# Altium PCB Control.PcbDoc (continued)
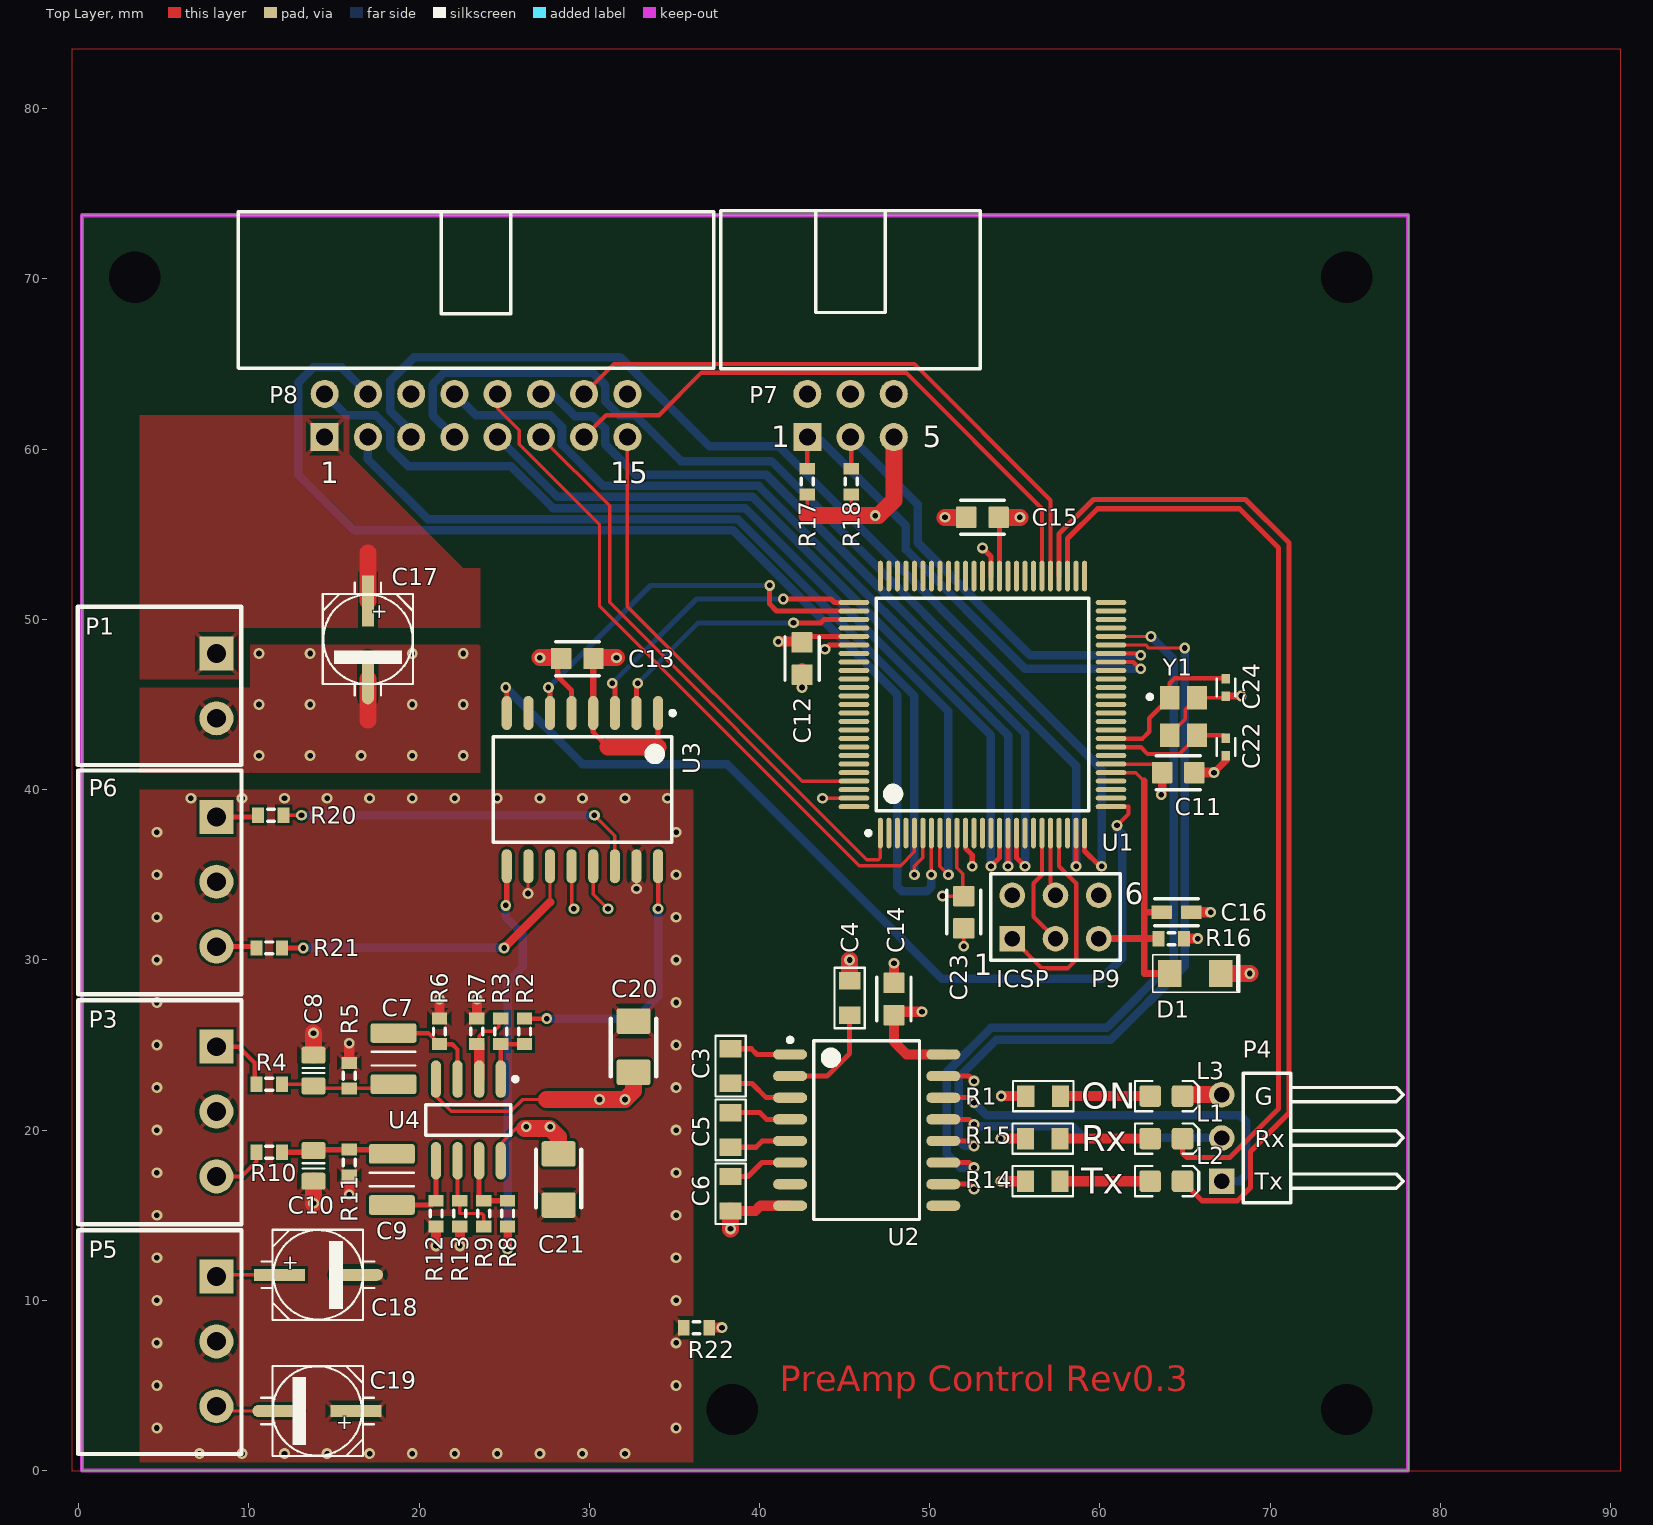
[diagram p0: Top Layer view]
## Components (designator, comment, footprint, x,y, rotation, side; value= is the part's Value field where it differs from the comment)
C3 "C0805-GENERIC" 0805C-GENERIC 38.3,23 r90 top
C4 "C0805-GENERIC" 0805C-GENERIC 45.296,27 r90 top
C5 "C0805-GENERIC" 0805C-GENERIC 38.3,19.25 r90 top
C6 "C0805-GENERIC" 0805C-GENERIC 38.3,15.5 r90 top
C7 "Cap" CAPC3225X220N 18.5,24.2 r270 top
C8 "Cap" CAPC2012X135N 13.8,23.5 r270 top
C9 "Cap" CAPC3225X220N 18.4,17.1 r270 top
C10 "Cap" CAPC2012X135N 13.8,17.9 r270 top
C11 "CAP" CAPC2012 64.6,41 r0 top
C12 "CAP" CAPC2012 42.5,47.7 r270 top
C13 "CAP" CAPC2012 29.3,47.7 r180 top
C14 "CAP" CAPC2012 47.9,27.7 r90 top
C15 "CAP" CAPC2012 53.1,56 r180 top
C16 "C0603-GENERIC" CAPC1608 64.5,32.8 r180 top
C17 "C+47U-6V3" PANACAP-C 17,48.8 r270 top
C18 "C+47U-6V3" PANACAP-C 14.1,11.5 r0 top
C19 "C+47U-6V3" PANACAP-C 14,3.5 r180 top
C20 "100nF 63V" CAPC3216B 32.6,24.9 r90 top
C21 "100nF 63V" CAPC3216B 28.2,17.1 r270 top
C22 "10nF" CAPC1005L 67.4,42.5 r90 top
C23 "CAP" CAPC2012 52,32.8 r270 top
C24 "10nF" CAPC1005L 67.4,46 r90 top
D1 "Diode 1N4001" "1206 DIODE" 65.6,29.2 r0 top
L1 "Green" LED-0805-K 63.9,19.5 r0 top
L2 "Green" LED-0805-K 63.9,17 r0 top
L3 "Green" LED-0805-K 63.9,22 r0 top
P1 "Power" PH_TERM_2 0.1,50.6 r270 top
P3 "Audio in" PH_TERM_3 0.1,27.5 r270 top locked
P4 "RS-232" HDR1X3H 67.15,17 r90 top
P5 "+15/-15V" PH_TERM_3 0.1,14 r270 top locked
P6 "Audio Out" PH_TERM_3 0.1,41 r270 top locked
P7 "Relays" IDC2.54-H6C 45.35,63.25 r0 top
P8 "Front Panel" IDC2.54-H16C 23.35,63.25 r0 top locked
P9 "ICSP" HDR2X3 54.85,31.25 r0 top
R1 "1K" 0805R-1K 55.9,22 r0 top
R2 "Res3" J1-0603 26.2,25.8 r270 top
R3 "Res3" J1-0603 24.8,25.8 r270 top
R4 "Res3" J1-0603 11.2,22.7 r0 top
R5 "Res3" J1-0603 15.9,23.2 r270 top
R6 "Res3" J1-0603 21.2,25.8 r270 top
R7 "Res3" J1-0603 23.4,25.8 r270 top
R8 "Res3" J1-0603 25.2,15.1 r90 top
R9 "Res3" J1-0603 23.8,15.1 r90 top
R10 "Res3" J1-0603 11.2,18.7 r0 top
R11 "Res3" J1-0603 15.9,18.1 r90 top
R12 "Res3" J1-0603 21,15.1 r90 top
R13 "Res3" J1-0603 22.4,15.1 r90 top
R14 "1K" 0805R-1K 57.4,17 r180 top
R15 "1K" 0805R-1K 57.4,19.5 r180 top
R16 "Res3" J1-0603 64.2,31.25 r0 top
R17 "Res3" J1-0603 42.8,58.1 r270 top
R18 "Res3" J1-0603 45.4,58.1 r270 top
R20 "Res3" J1-0603 11.3,38.5 r0 top
R21 "Res3" J1-0603 11.2,30.7 r0 top
R22 "Res3" J1-0603 36.3,8.4 r0 top
U1 "ATmega2560-16AU" 100A_N 53.1,45 r90 top locked
U2 "MAX232ACWE" TI-DW16_L 46.3,20 r0 top
U3 "PGA2311" TI-DW16_L 29.6,40 r270 top
U4 "LME49720MA" M08A_N 22.9,20.6 r270 top
Y1 "CFPX-5" CFPX-5 64.9,44.3 r270 top

## Footprints (in the part's own frame and the unit in brackets; to place one, negate y for a bottom-side part, rotate by r counter-clockwise, add the part's x,y. Pads: shape width x height; smd on the part's side, far side on the other; paste and mask are expansions set on the pad)
100A_N [mm] "Thin QFP, 100-Leads, Body 14x14mm, Pitch 0.5mm, IPC Medium Density"
  oval 1.8x0.3 smd: 1(-7.55,6) 2(-7.55,5.5) 3(-7.55,5) 4(-7.55,4.5) 5(-7.55,4) 6(-7.55,3.5) 7(-7.55,3) 8(-7.55,2.5) 9(-7.55,2) 10(-7.55,1.5) 11(-7.55,1) 12(-7.55,0.5) 13(-7.55,0) 14(-7.55,-0.5) 15(-7.55,-1) 16(-7.55,-1.5) 17(-7.55,-2) 18(-7.55,-2.5) 19(-7.55,-3) 20(-7.55,-3.5) 21(-7.55,-4) 22(-7.55,-4.5) 23(-7.55,-5) 24(-7.55,-5.5) 25(-7.55,-6) 51(7.55,-6) 52(7.55,-5.5) 53(7.55,-5) 54(7.55,-4.5) 55(7.55,-4) 56(7.55,-3.5) 57(7.55,-3) 58(7.55,-2.5) 59(7.55,-2) 60(7.55,-1.5) 61(7.55,-1) 62(7.55,-0.5) 63(7.55,0) 64(7.55,0.5) 65(7.55,1) 66(7.55,1.5) 67(7.55,2) 68(7.55,2.5) 69(7.55,3) 70(7.55,3.5) 71(7.55,4) 72(7.55,4.5) 73(7.55,5) 74(7.55,5.5) 75(7.55,6)
  oval 0.3x1.8 smd: 26(-6,-7.55) 27(-5.5,-7.55) 28(-5,-7.55) 29(-4.5,-7.55) 30(-4,-7.55) 31(-3.5,-7.55) 32(-3,-7.55) 33(-2.5,-7.55) 34(-2,-7.55) 35(-1.5,-7.55) 36(-1,-7.55) 37(-0.5,-7.55) 38(0,-7.55) 39(0.5,-7.55) 40(1,-7.55) 41(1.5,-7.55) 42(2,-7.55) 43(2.5,-7.55) 44(3,-7.55) 45(3.5,-7.55) 46(4,-7.55) 47(4.5,-7.55) 48(5,-7.55) 49(5.5,-7.55) 50(6,-7.55) 76(6,7.55) 77(5.5,7.55) 78(5,7.55) 79(4.5,7.55) 80(4,7.55) 81(3.5,7.55) 82(3,7.55) 83(2.5,7.55) 84(2,7.55) 85(1.5,7.55) 86(1,7.55) 87(0.5,7.55) 88(0,7.55) 89(-0.5,7.55) 90(-1,7.55) 91(-1.5,7.55) 92(-2,7.55) 93(-2.5,7.55) 94(-3,7.55) 95(-3.5,7.55) 96(-4,7.55) 97(-4.5,7.55) 98(-5,7.55) 99(-5.5,7.55) 100(-6,7.55)
  silkscreen extent -7.67,-6.25 6.25,6.82, body extent -8.01,-8.01 8.01,8.01, height 1.1
0805C-GENERIC [mil] "CAPACITOR 0805"
  rect 40x50 smd: 1(-10,0) 2(70,0)
  silkscreen extent -40,-35 100,35, body extent -11,-25 70,25, height 26
0805R-1K [mil] "RESISTOR 0805"
  rect 40x50 smd: 1(-10,0) 2(70,0)
  silkscreen extent -40,-35 100,35, body extent -11,-25 70,25, height 27
"1206 DIODE" [mm]
  rect 1.4x1.6 smd: 1(-1.5,0) 2(1.5,0)
  silkscreen extent -2.5,-1.1 2.6,1.1
CAPC1005L [mil] "Chip Capacitor, Non Polarised 1.0mm x 0.5mm x ?mm (0402)"
  rrect10% 22x20 smd: 1(-20,0) 2(20,0)
  silkscreen extent -20,-21 20,21, body extent -21,-11 19,9, height 20
CAPC1608 [mm] "Chip Capacitor, Non Polarised 1.6mm x 0.8mm x ?mm (0603)"
  rrect10% 1.2x0.8 smd: 1(-0.875,0) 2(0.875,0)
  silkscreen extent -1.28,-0.8 1.28,0.8, body extent -0.8,-0.43 0.8,0.39, height 0.86
CAPC2012 [mm] "Chip Capacitor, Non Polarised 2.0mm x 1.2mm x ?mm (0805)"
  rrect10% 1.2x1.25 smd: 1(-0.95,0) 2(0.95,0)
  silkscreen extent -1.28,-1 1.28,1, body extent -1,-0.63 1,0.63, height 1.27
CAPC2012X135N [mm] "Chip Capacitor, Body 2.0x1.2mm, EIA 0805, IPC Medium Density"
  round 0.254 on Mech15: 0(0,0)
  rrect25% 1x1.4 smd: 1(-0.9,0) 2(0.9,0)
  Top Layer pour cut-out: -0.675,0.7 -0.475,0.9 0.475,0.9 0.675,0.7 0.675,-0.7 0.475,-0.9 -0.475,-0.9 -0.675,-0.7
  silkscreen extent -0.15,-0.65 0.15,0.65, body extent -1.1,-0.72 1.1,0.73, height 1.34
CAPC3216B [mm] "3216 Capacitor Wide"
  rrect20% 1.5x2 smd: 1(-1.5,0) 2(1.5,0)
  silkscreen extent -1.75,-1.33 1.65,1.33, body extent -1.6,-0.8 1.6,0.8, height 1.78
CAPC3225X220N [mm] "Chip Capacitor, Body 3.2x2.5mm, EIA 1210, IPC Medium Density"
  round 0.508 on Mech15: 0(0,0)
  rrect25% 1.15x2.7 smd: 1(-1.5,0) 2(1.5,0)
  silkscreen extent -0.4,-1.3 0.4,1.3, body extent -1.8,-1.4 1.8,1.4, height 2.19
CFPX-5 [mm] "Surface Mount Quartz Crystal; Body 3.4 x 2.7 mm (LxW max)"
  rect 1.4x1.15 smd: 1(-1.1,-0.8) 2(1.1,-0.8) 3(1.1,0.8) 4(-1.1,0.8)
  silkscreen extent -1.27,-2.09 -1.02,-1.84
HDR1X3H [mm] "Connector; Header; 3 Position; Right Angle"
  rect 1.5x1.5 hole 0.9: 1(0,0)
  round 1.5 hole 0.9: 2(2.54,0) 3(5.08,0)
  silkscreen extent -1.27,-10.67 6.35,-1.27, body extent -1.27,-10.8 6.36,0.32, height 3.09
HDR2X3 [mm] "Connector; Header; 3x2 Position"
  rect 1.5x1.5 hole 0.9: 1(0,0)
  round 1.5 hole 0.9: 2(0,2.54) 3(2.54,0) 4(2.54,2.54) 5(5.08,0) 6(5.08,2.54)
  silkscreen extent -1.27,-1.27 6.35,3.81, body extent -1.27,-1.27 6.35,3.81, height 9.5
IDC2.54-H6C [mm] "Connector; IDC, Low Profile Male Header, Thru-Hole; 6 Position; Right Angle; Pitch 2.54 mm; Body 15.24 x 8.9 x 9.2 mm (LxWxH)"
  rect 1.65x1.65 hole 1: 1(-2.54,-2.54)
  round 1.65 hole 1: 2(-2.54,0) 3(0,-2.54) 4(0,0) 5(2.54,-2.54) 6(2.54,0)
  silkscreen extent -7.62,1.48 7.62,10.75, body extent -7.56,-2.85 7.71,10.7, height 9.43
IDC2.54-H16C [mm] "Connector; IDC, Low Profile Male Header, Thru-Hole; 16 Position; Right Angle; Pitch 2.54 mm; Body 27.94 x 8.9 x 9.2 mm (LxWxH)"
  rect 1.65x1.65 hole 1: 1(-8.89,-2.54)
  round 1.65 hole 1: 2(-8.89,0) 3(-6.35,-2.54) 4(-6.35,0) 5(-3.81,-2.54) 6(-3.81,0) 7(-1.27,-2.54) 8(-1.27,0) 9(1.27,-2.54) 10(1.27,0) 11(3.81,-2.54) 12(3.81,0) 13(6.35,-2.54) 14(6.35,0) 15(8.89,-2.54) 16(8.89,0)
  silkscreen extent -13.97,1.5 13.97,10.7, body extent -13.97,-2.92 14.01,10.63, height 9.43
J1-0603 [mm] "Chip Resistor, Body 1.6x0.8mm, IPC High Density"
  rect 0.7x0.9 smd: 1(-0.75,0) 2(0.75,0)
  silkscreen extent -0.2,-0.35 0.2,0.35, body extent -0.85,-0.48 0.85,0.48, height 0.9
LED-0805-K [mil]
  round 20 on Mech15: 0(0,0)
  rrect25% 50x50 smd: A(-37.5,0) K(37.5,0)
  Top Layer pour cut-out: -15,30 15,30 15,-30 -15,-30
  silkscreen extent -72,-35 77,35, body extent -39,-25 39,25, height 31
M08A_N [mm] "SOIC, 8-Leads, Body 4.9x3.9mm, Pitch 1.27mm, IPC Medium Density"
  oval 2.2x0.6 smd: 1(-2.4,1.905) 2(-2.4,0.635) 3(-2.4,-0.635) 4(-2.4,-1.905) 5(2.4,-1.905) 6(2.4,-0.635) 7(2.4,0.635) 8(2.4,1.905)
  silkscreen extent -2.52,-2.5 0.9,2.88, body extent -2,-2.5 2,2.5, height 1.75
PANACAP-C [mm]
  rect 3x0.7 smd: +(-2.286,0)
  oval 3x0.7 smd: -(2.286,0)
  silkscreen extent -3.35,-2.65 3.28,2.65, body extent -2.95,-2.65 2.95,2.65, height 5.41
PH_TERM_2 [mm] "Phoenix Terminal 2 way pluggable"
  rect 2x2 hole 1.1: 1(2.6,8)
  round 2 hole 1.1: 2(6.41,8)
  silkscreen extent -0.15,-0.15 9.15,9.45, body extent 0,0 9.01,9.3, height 7.25
PH_TERM_3 [mm] "Phoenix Terminal 3 way pluggable"
  rect 2x2 hole 1.1: 1(2.6,8)
  round 2 hole 1.1: 2(6.41,8) 3(10.22,8)
  silkscreen extent -0.13,-0.12 13.03,9.48, body extent 0.03,0.03 12.84,9.32, height 7.25
TI-DW16_L [mm] "SOIC, 16-Leads, Body 10.5x7.6mm, Pitch 1.27mm, IPC High Density"
  oval 2x0.6 smd: 1(-4.5,4.445) 2(-4.5,3.175) 3(-4.5,1.905) 4(-4.5,0.635) 5(-4.5,-0.635) 6(-4.5,-1.905) 7(-4.5,-3.175) 8(-4.5,-4.445) 9(4.5,-4.445) 10(4.5,-3.175) 11(4.5,-1.905) 12(4.5,-0.635) 13(4.5,0.635) 14(4.5,1.905) 15(4.5,3.175) 16(4.5,4.445)
  silkscreen extent -4.62,-5.25 3.1,5.42, body extent -5.08,-5.04 5.08,5.04, height 2

## Part data
C3 C5 C6: "GENERIC CAPACITOR NON POLARISED0603"
C4: "GENERIC CAPACITOR NON POLARISED0805"
C7 C8 C9 C10 C11 C12 C13 C14 C15 C23: "Capacitor"
C16: library part C0805-GENERIC, "GENERIC CAPACITOR NON POLARISED 22pf"
C17 C18 C19: "GENERIC CAPACITOR POLARISED"
C20 C21: library part CAP
C22 C24: library part Cap, "Capacitor"
D1: "1 Amp General Purpose Rectifier"
L1 L2 L3: library part LED_SMD_Green_0805_6mcd, "LED, 0805 SMD, Green"
P1: library part "Header 2", "Header, 2-Pin"
P3 P5 P6: library part "Header 3", "Header, 3-Pin"
P4: library part "Header 3H", "Header, 3-Pin, Right Angle"
P7: library part "Header 3X2H", "Header, 3-Pin, Dual row, Right Angle"
P8: library part "Header 16", "Header, 16-Pin"
P9: library part "Header 3X2", "Header, 3-Pin, Dual row"
R1 R14 R15: library part 0805R-1K, "RESISTOR 0805 1/4 WATT THIN FILM"
R2 R3 R4 R5 R6 R7 R8 R9 R10 R11 R12 R13 R16 R17 R18 R20 R21 R22: "Resistor"
U1: "8-bit AVR Microcontroller, 4.5-5.5V, 256KB Flash, 4KB EEPROM, 8KB SRAM, 86 GPIO pins, 100-pin TQFP, Industrial Grade (-40°C to 85°C), Pb-Free"
U2: "+5V Powered, Multi-Channel RS-232 Driver/Receiver"
U4: "Dual High Performance, High Fidelity Audio Operational Amplifier, 8-pin Narrow SOIC"
Y1: "Surface Mount Quartz Crystal"

## Free pads (board coordinates)
  round 1.524 hole 3: 1(38.4,3.6) 2(74.5,3.6) 3(74.5,70.1) 4(3.3,70.1)

## Via types
v1: diameter 0.635, hole 0.33, Top Layer to Bottom Layer, tented both sides, 143 vias

## Nets (pads, with @x,y where several pads share a name; then routed paths per layer and width w, separated by ;. In a path a pad name is that pad's centre, name@x,y a point inside that pad or via, vN(x,y) a via of type N, cw(c..) or ccw(c..) an arc to the next point about the centre after c; other vN are vias at no path point)
+15V: C18.+ C21.1 P5.1 U3.12 U4.8 | length 12.3
  Top Layer w0.2: P5.1 8.2,11.5 C18.+ ; U4.8 24.805,19.205 25.7,20.1 v1@26.2,20.1 ; U3.12 28.965,33.135 v1(29.1,33)
  Top Layer w1: v1@26.2,20.1 27.7,20.1 28.2,19.6 C21.1
  other v1: 26.3,20.2 27.7,20.2
-15V: C19.- C20.1 P5.3 U3.13 U4.4 | length 21.2
  Top Layer w0.2: P5.3 8.38,3.5 C19.- ; U4.4 20.995,22.005 21.9,21.1 25.4,21.1 26.1,21.8 27.5,21.8 ; U3.13 30.235,33.865 v1(31.1,33)
  Top Layer w1: 27.5,21.8 v1(30.6,21.8) v1(32.1,21.8) 32.6,22.3 32.6,22.8 C20.1
AGND: C8.1 C10.2 C18.- C19.+ C20.2 C21.2 P3.2 P5.2 P6.2 R5.1 R6.1 R7.1 R11.1 R12.1 R13.1 R22.1 U3.10 U3.15 | length 12.4
  Top Layer w0.2: v1(26.4,33.9) 26.4,35.475 U3.10 ; v1(32.775,34.175) U3.15
  Top Layer w0.6: v1(15.9,16.2) R11.1 ; R5.1 v1(15.9,25.1) ; v1(21,13.2) R12.1 ; R6.1 v1(21.2,27.7) ; v1(22.4,13.2) R13.1 ; R7.1 v1(23.4,27.7)
  Top Layer w1: v1(13.8,15.7) C10.2 ; C8.1 v1(13.8,25.7)
  other v1: 7.1,1 9.6,1 12.1,1 14.6,1 17.1,1 19.6,1 22.1,1 24.6,1 27.1,1 29.6,1 32.1,1 4.6,2.5 35.1,2.5 4.6,5 35.1,5 4.6,7.5 35.1,7.5 4.6,10 35.1,10 4.6,12.5 35.1,12.5 4.6,15 35.1,15 4.6,17.5 35.1,17.5 4.6,20 35.1,20 4.6,22.5 35.1,22.5 4.6,25 35.1,25 4.6,27.5 35.1,27.5 4.6,30 35.1,30 4.6,32.5 35.1,32.5 4.6,35 35.1,35 4.6,37.5 35.1,37.5 6.6,39.5 9.6,39.5 12.1,39.5 14.6,39.5 17.1,39.5 19.6,39.5 22.1,39.5 24.6,39.5 27.1,39.5 29.6,39.5 32.1,39.5 34.6,39.5
AUDIO_IN_L: P3.1 R4.1 | length 3.9
  Top Layer w0.254: P3.1 9.4,24.9 10.35,23.95 R4.1@10.35,22.7
AUDIO_IN_R: P3.3 R10.1 | length 3.3
  Top Layer w0.254: P3.3 9.58,17.28 10.45,18.15 R10.1
CH_A: P8.3 U1.6 | length 52.3
  Top Layer w0.2: v1(49.1,35) 49.1,35.5 49.6,36 U1.6
  Bottom Layer w0.5: P8.3 17,59.4 20.51,55.89 38.71,55.89 49.1,45.5 v1(49.1,35)
CH_B: P8.4 U1.7 | length 67.7
  Top Layer w0.2: v1(50.1,35) U1.7
  Bottom Layer w0.5: P8.4 15.45,64.8 13.8,64.8 12.9,63.9 12.9,58.5 16.162,55.238 38.439,55.238 48.1,45.577 48.1,34.3 48.37,34.03 49.83,34.03 50.1,34.3 v1(50.1,35)
CS_PGA: U1.78 U3.2 | length 16
  Top Layer w0.3: U3.2 32.775,46.175 v1(32.85,46.25) ; v1(42,49.8) 43.6,49.8 43.8,50 U1.78
  Bottom Layer w0.3: v1(32.85,46.25) 36.4,49.8 v1(42,49.8)
D4: P8.8 U1.16 | length 51.1
  Top Layer w0.3: v1(54.6,35.5) 54.6,36 U1.16
  Bottom Layer w0.5: P8.8 23.33,62 27.7,62 28.4,61.3 28.4,60.274 30.827,57.848 39.952,57.848 54.6,43.2 v1(54.6,35.5)
D5: P8.9 U1.15 | length 46.1
  Top Layer w0.3: v1(53.6,35.5) 54.1,36 U1.15
  Bottom Layer w0.5: P8.9 28.135,57.195 39.605,57.195 53.6,43.2 v1(53.6,35.5)
D6: P8.10 U1.5 | length 41.2
  Top Layer w0.2: P8.10 24.62,62.38 25.9,61.1 25.9,60.3 30.6,55.6 30.6,50.8 45.858,35.542 48.295,35.542 49.1,36.346 U1.5
D7: P8.11 U1.1 | length 35
  Top Layer w0.2: P8.11 31.2,56.67 31.2,51 46.306,35.894 46.994,35.894 47.1,36 U1.1
FP_BTNS: P8.15 U1.97 | length 27.5
  Top Layer w0.2: P8.15 32.24,50.76 42.5,40.5 U1.97
GND: C6.1 C11.2 C12.2 C13.2 C14.2 C15.2 C16.1 C17.- C22.1 C23.2 C24.1 L3.K P1.2 P4.3 P7.2 P7.4 P8.6 P8.16 P9.6 R22.2 U1.11 U1.32 U1.62 U1.81 U1.99 U2.8 U2.10 U2.15 U3.5 Y1.2 Y1.4 | length 39.1
  Top Layer w0.2: v1(43.7,39.5) U1.99 ; v1(52,30.8) C23.2 ; Y1.2 64.1,43.232 65.02,44.152 65.02,44.72 Y1.4 C24.1@67.25,45.4
  Top Layer w0.3: C13.2@28.15,47.75 28.15,46.65 28.965,45.835 U3.5 ; v1(43.85,48.25) 44.1,48.5 U1.81 ; U2.10@50.85,16.825 52.304,16.825 v1(52.6,16.529) ; U2.15@50.85,23.175 52.304,23.175 v1(52.6,22.879) ; U1.11 52.1,36.56 52.5,36.16 v1(52.5,35.5) ; v1(53.1,54.2) 53.6,53.7 U1.62
  Top Layer w0.4: v1(66.7,41) 67.4,41.7 C22.1 ; C24.1@67.6,45.5 v1(68.3,45.5)
  Top Layer w0.6: R22.2 v1(37.8,8.4) ; C6.1 39.746,15.246 40.055,15.555 U2.8@41.75,15.555 ; v1(42.5,46) C12.2@42.5,47.15 ; C14.2 v1(47.9,29.8) ; C16.1@65.2,32.8 v1(66.5,32.8) ; C11.2 v1(66.7,41)
  Top Layer w1: 17,44.1 C17.- ; v1(27.1,47.75) C13.2@28.15,47.75 ; v1(38.3,14.2) C6.1 ; v1(50.9,56) C15.2@51.9,56 ; L3.K@65.023,22.08 P4.3
  other v1: 10.6,42 13.6,42 16.6,42 19.6,42 22.6,42 10.6,45 13.6,45 19.6,45 22.6,45 10.6,48 13.6,48 19.6,48 22.6,48
IR_RX: P8.2 U1.8 | length 57.2
  Top Layer w0.2: U1.8 50.6,35.5 v1(51.1,35)
  Bottom Layer w0.5: P8.2 15.71,62 17.446,62 18.3,61.146 18.3,60.074 19.374,59 25.407,59 27.865,56.543 39.157,56.543 51.1,44.6 v1(51.1,35)
LCD_EN: P8.7 U1.24 | length 59.7
  Top Layer w0.3: v1(58.6,35.5) U1.24@58.6,37.45
  Bottom Layer w0.5: P8.7 20.8,61.99 20.8,63.8 21.5,64.5 30.2,64.5 30.948,63.752 30.948,62.806 31.754,62 32.686,62 35.386,59.3 40.7,59.3 58.6,41.4 v1(58.6,35.5)
LCD_RS: P8.5 U1.25 | length 64.3
  Top Layer w0.3: U1.25 59.1,36.4 60,35.5 v1(60.1,35.5)
  Bottom Layer w0.5: P8.5 19.54,61.02 18.313,62.248 18.313,64.013 19.7,65.4 31.826,65.4 37.041,60.184 41.117,60.184 60.1,41.201 v1(60.1,35.5)
LED_LCD: P8.12 U1.17 | length 47.2
  Top Layer w0.3: U1.17 55.1,36 v1(55.6,35.5)
  Bottom Layer w0.5: P8.12 27.85,63.25 29.163,61.937 30.208,61.937 30.927,61.218 30.927,60.287 32.714,58.5 40.4,58.5 55.6,43.3 v1(55.6,35.5)
LED_PWR: P8.13 U1.56 | length 35.7
  Top Layer w0.254: P8.13 30.99,62 34.1,62 36.6,64.5 48.6,64.5 56.6,56.5 U1.56
LED_STBY: P8.14 U1.55 | length 35.9
  Top Layer w0.254: P8.14 31.45,65 49.1,65 57.1,57 U1.55
MISO: P9.1 U1.22 | length 12.5
  Top Layer w0.254: P9.1 56.6,29.5 58.1,29.5 58.6,30 58.6,34.5 57.6,35.5 U1.22
MOSI: P9.4 U1.21 | length 3.8
  Top Layer w0.254: U1.21 57.1,34.08 P9.4
MUTE: U1.26 U3.8 | length 55.6
  Top Layer w0.254: v1(25.1,46) 25.155,45.945 U3.8 ; U1.26 61.677,39 61.677,38.577 v1(61,37.9)
  Bottom Layer w0.5: v1(25.1,46) 29.6,41.5 38.1,41.5 50.7,28.9 60.1,28.9 61.3,30.1 61.3,37.4 61,37.7 v1(61,37.9)
NetC3_1: C3.1 U2.3 | length 3.8
  Top Layer w0.3: C3.1 39.554,22.746 40.395,21.905 U2.3@41.75,21.905
NetC3_2: C3.2 U2.1 | length 3.6
  Top Layer w0.3: C3.2 39.522,24.778 39.855,24.445 U2.1@41.75,24.445
NetC4_1: C4.1 U2.2 | length 6.6
  Top Layer w0.3: U2.2@41.75,23.175 43.975,23.175 45.296,24.496 C4.1@45.296,27
NetC5_1: C5.1 U2.5 | length 3.6
  Top Layer w0.3: C5.1 39.796,18.996 40.165,19.365 U2.5@41.75,19.365
NetC5_2: C5.2 U2.4 | length 3.6
  Top Layer w0.3: C5.2 40.022,21.028 40.415,20.635 U2.4@41.75,20.635
NetC6_2: C6.2 U2.6 | length 3.8
  Top Layer w0.3: C6.2 39.328,17.278 40.145,18.095 U2.6@41.75,18.095
NetC7_1: C7.1 R6.2 U4.3 | length 5.9
  Top Layer w0.254: C7.1 20.55,25.7 R6.2 21.95,25.05 22.265,24.735 U4.3
NetC7_2: C7.2 C8.2 R4.2 R5.2 | length 6.8
  Top Layer w0.2: R4.2 13.7,22.7 C8.2 13.95,22.45 R5.2 18.25,22.45 C7.2
NetC9_1: C9.1 C10.1 R10.2 R11.2 | length 6.6
  Top Layer w0.3: R10.2 13.7,18.7 C10.1 13.85,18.85 R11.2 18.15,18.85 C9.1
NetC9_2: C9.2 R12.2 U4.5 | length 5.1
  Top Layer w0.3: C9.2 20.75,15.6 R12.2 21,18.195 U4.5
NetC22_2: C22.2 U1.33 Y1.3 | length 7.3
  Top Layer w0.254: U1.33 62.4,42.5 62.8,42.1 64.67,42.1 65.7,43.13 Y1.3 67.25,43.2 C22.2@67.3,43.15
NetC24_2: C24.2 U1.34 Y1.1 | length 9.4
  Top Layer w0.254: U1.34@60.875,43 U1.34 62.5,43 62.9,43.4 62.9,44.2 Y1.1 64.1,46.25 64.4,46.55 C24.2@67.4,46.55
NetL1_A: L1.A R15.1 | length 5.3
  Top Layer w0.6: R15.1 L1.A
NetL2_A: L2.A R14.1 | length 5.3
  Top Layer w0.6: R14.1 L2.A
NetL3_A: L3.A R1.2 | length 5.3
  Top Layer w0.6: R1.2 L3.A
NetP4_1: P4.1 U2.14 | length 23
  Top Layer w0.3: U2.14@50.85,21.905 52.304,21.905 v1(52.6,21.609)
  Bottom Layer w0.5: v1(52.6,21.609) 53.337,20.872 68.228,20.872 68.6,20.5 68.6,17.4 68.2,17 P4.1
NetP4_2: P4.2 U2.13 | length 16.8
  Top Layer w0.3: U2.13@50.85,20.635 52.304,20.635 v1(52.6,20.339)
  Bottom Layer w0.5: v1(52.6,20.339) 52.72,20.22 58.38,20.22 59.06,19.54 P4.2
NetP6_1: P6.1 R20.1 | length 2.5
  Top Layer w0.3: P6.1 10.45,38.4 R20.1
NetP6_3: P6.3 R21.1 | length 2.4
  Top Layer w0.3: P6.3 10.37,30.78 R21.1
NetR2_2: R2.2 R3.2 U4.1 | length 3.4
  Top Layer w0.254: U4.1 24.805,25.045 26.195,25.045 R2.2
NetR3_1: R3.1 R7.2 U4.2 | length 4.4
  Top Layer w0.2: R7.2@23.535,25.015 23.535,25.535 23.8,25.8 24.4,25.8 24.7,26.1 24.7,26.45 R3.1
  Top Layer w0.6: U4.2 R7.2@23.535,25.015
NetR8_2: R8.2 R9.2 U4.7 | length 3.9
  Top Layer w0.3: U4.7 23.535,16.115 R9.2 R8.2
NetR9_1: R9.1 R13.2 U4.6 | length 5.2
  Top Layer w0.2: R13.2 22.4,15.1 23.7,15.1 23.8,15 R9.1
  Top Layer w0.254: U4.6 22.265,15.985 R13.2
NetR20_2: R20.2 U3.14 | length 21.7
  Top Layer w0.2: R20.2 v1(13.1,38.5) ; v1(30.3,38.5) 31.505,37.295 U3.14
  Bottom Layer w0.5: v1(13.1,38.5) v1(30.3,38.5)
NetR21_2: R21.2 U3.11 | length 19
  Top Layer w0.2: 27.695,33.395 U3.11
  Top Layer w0.3: R21.2 v1(13.2,30.7)
  Top Layer w0.5: v1(25,30.7) 27.695,33.395
  Bottom Layer w0.5: v1(13.2,30.7) v1(25,30.7)
PRE_IN_L: R2.1 U3.16 | length 16
  Top Layer w0.254: R2.1 v1(27.5,26.55) ; v1(34.045,33) U3.16
  Bottom Layer w0.5: v1(27.5,26.55) 32.75,26.55 34.045,27.845 v1(34.045,33)
PRE_IN_R: R8.1 U3.9 | length 24.7
  Top Layer w0.3: v1(25.1,33.2) 25.155,33.255 U3.9
  Top Layer w0.5: v1(25.2,13) R8.1
  Bottom Layer w0.5: v1(25.1,33.2) 25.1,32.5 26.1,31.5 26.1,29.6 25.2,28.7 v1(25.2,13)
RESET: C16.2 D1.1 P9.5 R16.1 U1.30 | length 19.4
  Top Layer w0.2: U1.30 62.1,41 62.6,40.5
  Top Layer w0.4: P9.5 62.6,31.25 ; 62.6,32.8 C16.2@63.5,32.8 ; 62.6,40.5 62.6,31.25 ; R16.1 62.6,31.25 ; D1.1 62.6,29.2 62.6,31.25
RX: U1.45 U2.12 | length 45.7
  Top Layer w0.2: U1.45 62.694,48.5 62.874,48.32 v1(64.98,48.32)
  Top Layer w0.3: U2.12 52.304,19.365 v1(52.6,19.069)
  Bottom Layer w0.5: v1(52.6,19.069) 52.031,19.069 51.7,19.4 51.7,23.1 53.9,25.3 60.623,25.3 64.98,29.657 v1(64.98,48.32)
RXD: U1.2
RXL: L1.K U1.53 | length 57
  Top Layer w0.3: U1.53 58.1,54.75 59.85,56.5 68.2,56.5 70.5,54.2 70.5,21.264 67.626,18.39 65.11,18.39 64.853,18.647 L1.K
SCK: P9.3 U1.20 | length 6.9
  Top Layer w0.254: U1.20 56.6,35 56.1,34.5 56.1,32.54 P9.3
SCL_PGA: U1.77 U3.6 | length 23.2
  Top Layer w0.3: v1(27.6,46) 27.695,45.905 U3.6 ; v1(40.6,52) 40.6,50.9 41,50.5 U1.77
  Bottom Layer w0.3: v1(27.6,46) 33.6,52 v1(40.6,52)
SCL_RELAY: P7.1 R17.1 U1.43 | length 29.8
  Top Layer w0.254: R17.1 42.8,60.7 P7.1 ; U1.43 61.956,47.5 62.356,47.1 v1(62.4,47.1)
  Bottom Layer w0.5: P7.1 43.39,60.71 48.6,55.5 48.6,54.1 55.6,47.1 v1(62.4,47.1)
SDA_RELAY: P7.3 R18.1 U1.44 | length 27.4
  Top Layer w0.254: P7.3 45.4,60.66 R18.1 ; U1.44 62.3,48 v1(62.4,47.9)
  Bottom Layer w0.5: P7.3 49.3,56.76 49.3,54.5 55.9,47.9 v1(62.4,47.9)
SDI_PGA: U1.76 U3.3 | length 18.1
  Top Layer w0.3: v1(31.35,46.25) 31.505,46.095 U3.3 ; v1(41.4,51.2) 44.2,51.2 44.4,51 U1.76
  Bottom Layer w0.3: v1(31.35,46.25) 36.3,51.2 v1(41.4,51.2)
TX: U1.46 U2.11 | length 46.2
  Top Layer w0.2: U1.46@61.041,49 v1(63,49)
  Top Layer w0.3: U2.11@50.85,18.095 52.304,18.095 v1(52.6,17.799)
  Bottom Layer w0.5: v1(52.6,17.799) 51.801,17.799 51,18.6 51,23.4 53.6,26 60.4,26 64.328,29.928 64.328,47.672 v1(63,49)
TXD: U1.3
TXL: L2.K U1.54 | length 61.5
  Top Layer w0.3: U1.54 57.6,55.028 59.622,57.05 68.55,57.05 71.1,54.5 71.1,21 68.85,18.75 68.85,16.634 68.066,15.85 66.003,15.85 L2.K
VCC: C4.2 C11.1 C12.1 C13.1 C14.1 C15.1 C17.+ C23.1 D1.2 P1.1 P7.5 P7.6 P8.1 P9.2 R1.1 R14.2 R15.2 R16.2 R17.2 R18.2 U1.10 U1.31 U1.61 U1.80 U2.16 U3.1 U3.4 | length 59.1
  Top Layer w0.2: 42.8,56.1 R17.2 ; 45.4,56.1 R18.2 ; v1@50.7,33.8 v1(50.75,33.75) C23.1@51.935,33.75 ; U1.10 51.6,35.4 51.935,35.065 C23.1@51.935,33.75 ; C23.1 C23.1@51.935,33.75 ; U1.31 63.35,41.5 C11.1@63.85,41 ; v1(63.6,39.7) v1@63.65,39.75
  Top Layer w0.3: U3.4 30.235,43.378 31.107,42.507 ; C13.1@30.235,47.685 C13.1@30.3,47.75 ; 34.045,42.5 U3.1 ; C12.1 42.85,49 U1.80 ; U1.61 C15.1@54.1,55.95
  Top Layer w0.4: U3.4 C13.1@30.235,47.685
  Top Layer w0.5: v1@63.65,39.75 C11.1
  Top Layer w0.6: v1(41.1,48.7) C12.1@41.9,48.7 ; C14.1@47.9,26.45 47.9,25.2 48.655,24.445 U2.16@50.85,24.445 ; C14.1@47.9,26.95 v1(49.55,26.95) ; v1(54.176,17) R14.2 ; v1(54.176,19.5) R15.2 ; v1(54.2,22) R1.1 ; R16.2 v1(65.75,31.25)
  Top Layer w1: C17.+ 17,53.9 ; C13.1@30.3,47.75 v1(31.6,47.75) ; 31.1,42.5 34.045,42.5 ; 42.8,56.1 45.4,56.1 47,56.1 47.89,56.99 P7.5 ; C4.2 v1(45.296,29.996) ; C15.1@54.1,55.95 54.15,56 v1(55.3,56) ; D1.2 v1(68.8,29.2)
  other v1: 46.8,56.1
pads on no net: C7.0 C8.0 C9.0 C10.0 L1.0 L2.0 L3.0 U1.4 U1.9 U1.12 U1.13 U1.14 U1.18 U1.19 U1.23 U1.27 U1.28 U1.29 U1.35 U1.36 U1.37 U1.38 U1.39 U1.40 U1.41 U1.42 U1.47 U1.48 U1.49 U1.50 U1.51 U1.52 U1.57 U1.58 U1.59 U1.60 U1.63 U1.64 U1.65 U1.66 U1.67 U1.68 U1.69 U1.70 U1.71 U1.72 U1.73 U1.74 U1.75 U1.79 U1.82 U1.83 U1.84 U1.85 U1.86 U1.87 U1.88 U1.89 U1.90 U1.91 U1.92 U1.93 U1.94 U1.95 U1.96 U1.98 U1.100 U2.7 U2.9 U3.7

## Polygon pours and split planes (outlines as drawn)
VCC on Bottom Layer "GBL - VCC" (solid, remove dead copper, shelved, pour order 24): 9.1,24.75 5.1,20.75 5.1,15.5 5.85,14.75 58.6,14.75 68.6,24.75 68.6,81.75 67.1,83.25 45.6,83.25 44.1,81.75 44.1,78.25 45.35,77 47.6,77 48.6,76 48.31,61.25 48.31,60.25 26.04,60.25 17.85,68.44 17.85,72 16.35,73.5 12.6,73.5 10.35,71.25 10.35,61.75 19.6,52.5 24.1,52.5 38.1,38.5 38.1,26 36.6,24.5
GND on Bottom Layer "GBL - GND" (solid, remove dead copper, shelved, pour order 22): -0.4,0 90.6,0 90.6,83.5 -0.4,83.5 -0.4,0
AGND on Bottom Layer "AGND" (solid, remove dead copper, pour order 23): 3.6,40 3.6,0.5 36.1,0.5 36.1,40
GND on Top Layer "Top-No Net" (solid, pour order 25): 23.6,45 23.6,41 10.1,41 10.1,48.5 23.6,48.5
GND on Top Layer "GTL - GND" (solid, remove dead copper, shelved, pour order 21): -0.4,0 90.6,0 90.6,83.5 -0.4,83.5 -0.4,0
AGND on Top Layer "Top-No Net" (solid, pour order 28): 20.1,9.8 20.1,5.2 6.1,5.2 6.1,9.8
AGND on Top Layer "Top-No Net" (solid, remove dead copper, pour order 29): 36.1,40 36.1,0.5 3.6,0.5 3.6,40
VCC on Top Layer "Top-No Net" (solid, pour order 32): 23.6,49.5 9.6,49.5 9.6,46.5 3.6,46.5 3.6,62 15.9,62 15.9,59.7 22.6,53 23.6,53
GND on Top Layer "Top-No Net" (solid, pour order 33): 10.19,41 3.6,41 3.6,46 10.1,46
+15V on Power Plane "Top-No Net" (solid, pour order 26): 29.6,33.5 29.6,9.3 6.1,9.3 6.1,14 25.6,14 25.6,33.5
-15V on Power Plane "Top-No Net" (solid, pour order 27): 30.1,33.5 30.1,5.8 6.1,5.8 6.1,1.5 34.4,1.5 34.4,33.5
VCC on Power Plane "Top-No Net" (solid, pour order 35): 9.6,72.5 9.6,65 3.6,65 3.6,40.5 36.6,40.5 36.6,7.5 71.1,7.5 77.1,7.5 77.1,65 69.6,65 69.6,72.5
GND on GND Plane "Top-No Net" (solid, pour order 34): 3.6,40.5 3.6,65 9.6,65 9.6,72.5 69.6,72.5 69.6,65 77.1,65 77.1,7.5 71.1,7.5 36.6,7.5 36.6,40.5
no net on GND Plane "Top-No Net" (solid, pour order 30): 36.1,40 36.1,0.5 3.6,0.5 3.6,40
AGND on GND Plane "Top-No Net" (solid, pour order 31): 36.1,40 36.1,0.5 3.6,0.5 3.6,40

## Keep-outs
Keep-Out Layer:
  the board outline again, w0.254

## Other copper
Top Layer:
  text "PreAmp Control Rev0.3" at 41.2,4.65 h1.5

## Silkscreen, mask and mechanical layers (free items; w line width, h text height)
Top Overlay:
  text "G" at 69.1,21.5 h1
  text "ON" at 58.9,21.25 h1.52
  text "Rx" at 69.1,19 h1
  text "Rx" at 58.9,18.75 h1.52
  text "Tx" at 69.1,16.5 h1
  text "Tx" at 58.9,16.25 h1.52
Bottom Overlay:
  text "+5V" at 3.968,47.75 h1
  text "GND" at 3.968,43.75 h1
  text "Aout R" at 6.8,38 h1
  text "GND" at 3.968,34 h1
  text "Aout L" at 6.8,30.25 h1
  text "Ain R" at 5.8,24.25 h1
  text "GND" at 3.968,20.5 h1
  text "Ain L" at 5.8,16.5 h1
  text "+15V" at 4.801,10.9 h1
  text "GND" at 3.968,7.2 h1
  text "-15V" at 4.801,3.2 h1
Top Solder:
  text "PreAmp Control Rev0.3" at 41.2,4.65 h1.5
  text "(C) 2015 Dale Matthews" at 50.6,2.9 h1
PCB Outline:
  the board outline again, w0.254

## Text inside footprints (layer, text, board x,y; h text height)
C17: Top Overlay "+" at 17.325,50.95 h0.89 r270
C18: Top Overlay "+" at 11.95,11.825 h0.89
C19: Top Overlay "+" at 16.15,3.175 h0.89 r180
P7: Top Overlay "1" at 40.7,60.1 h1.27; Top Overlay "5" at 49.6,60.1 h1.27
P8: Top Overlay "15" at 31.24,58.01 h1.27; Top Overlay "1" at 14.21,58.01 h1.27
P9: Top Overlay "6" at 61.454,33.282 h1.27; Top Overlay "1" at 52.6,29.1 h1.27